# Altium PCB Copy of DIOT_temperature_logger.PcbDoc (part 5 of 7) (continued)
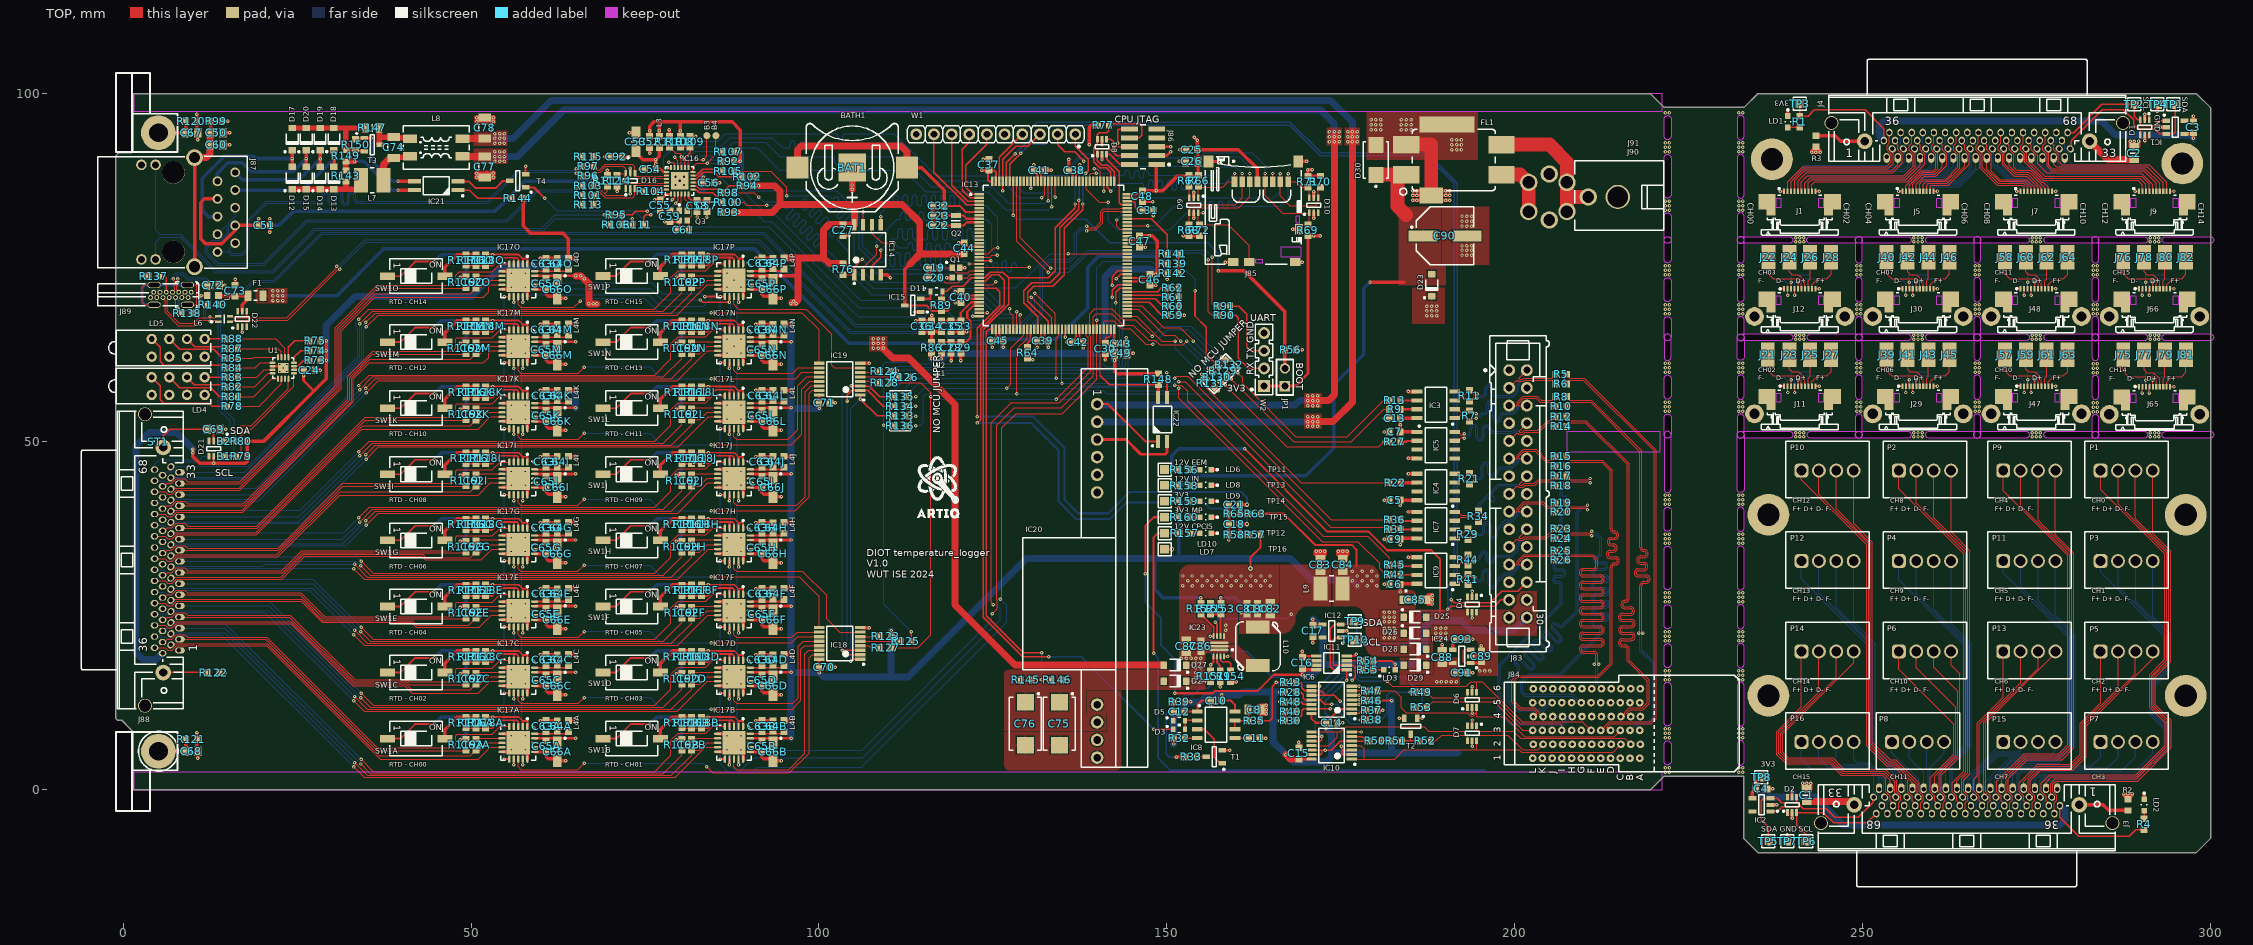
[diagram p0: TOP view]
## Nets (pads, with @x,y where several pads share a name; then routed paths per layer and width w, separated by ;. In a path a pad name is that pad's centre, name@x,y a point inside that pad or via, vN(x,y) a via of type N, cw(c..) or ccw(c..) an arc to the next point about the centre after c; other vN are vias at no path point) (continued)
  BOT w0.5: v1(75.7,66.425) 76.7,67.425 80.3,67.425 ; v1(79.475,64.175) 80.3,65 80.3,67.425 ; v1(84.125,67.425) 80.3,67.425
NetIC17N_3: IC17N.3 IC17N.4 R116N.2 R117N.2 R118N.2 | length 9.6
  TOP w0.254: R117N.2@80.3,65.825 R118N.2@83.1,65.825 84.025,65.825 85.175,66.975 87.15,66.975 ; IC17N.4@87.15,66.075 87.15,66.975 ; IC17N.3@87.8,66.075 87.8,66.75 87.575,66.975 87.15,66.975
NetIC17O_1: IC17O.1 IC17O.2 R118O.1 R119O.1 SW1O.1 | length 28.8
  TOP w0.254: SW1O.1@37.975,73.8 39.861,73.8 41.961,75.9 v1(44.7,75.9) ; R118O.1@51.958,76.9 R118O.1@52.1,76.9 v1(53.125,76.9) 56.875,76.9 57.45,76.325 ; IC17O.2@57.45,75.55 57.45,76.325 ; IC17O.1@58.1,75.55 58.1,76.325 57.45,76.325
  TOP w0.5: v1(48.475,73.65) R119O.1@49.3,73.65
  BOT w0.5: v1(44.7,75.9) 45.7,76.9 49.3,76.9 ; v1(48.475,73.65) 49.3,74.475 49.3,76.9 ; v1(53.125,76.9) 49.3,76.9
NetIC17O_3: IC17O.3 IC17O.4 R116O.2 R117O.2 R118O.2 | length 9.6
  TOP w0.254: R117O.2@49.3,75.3 R118O.2@52.1,75.3 53.025,75.3 54.175,76.45 56.15,76.45 ; IC17O.4@56.15,75.55 56.15,76.45 ; IC17O.3@56.8,75.55 56.8,76.225 56.575,76.45 56.15,76.45
NetIC17P_1: IC17P.1 IC17P.2 R118P.1 R119P.1 SW1P.1 | length 28.8
  TOP w0.254: SW1P.1@68.975,73.825 70.861,73.825 72.961,75.925 v1(75.7,75.925) ; R118P.1@82.958,76.925 R118P.1@83.1,76.925 v1(84.125,76.925) 87.875,76.925 88.45,76.35 ; IC17P.2@88.45,75.575 88.45,76.35 ; IC17P.1@89.1,75.575 89.1,76.35 88.45,76.35
  TOP w0.5: v1(79.475,73.675) R119P.1@80.3,73.675
  BOT w0.5: v1(75.7,75.925) 76.7,76.925 80.3,76.925 ; v1(79.475,73.675) 80.3,74.5 80.3,76.925 ; v1(84.125,76.925) 80.3,76.925
NetIC17P_3: IC17P.3 IC17P.4 R116P.2 R117P.2 R118P.2 | length 9.6
  TOP w0.254: R117P.2@80.3,75.325 R118P.2@83.1,75.325 84.025,75.325 85.175,76.475 87.15,76.475 ; IC17P.4@87.15,75.575 87.15,76.475 ; IC17P.3@87.8,75.575 87.8,76.25 87.575,76.475 87.15,76.475
NetIC18_4: IC18.4 R127.2 | length 2.6
  TOP w0.171: IC18.4@106.175,20.675 107.2,20.675 107.475,20.4 R127.2@108.675,20.4
NetIC18_5: IC18.5 R125.2 | length 5.3
  TOP w0.171: IC18.5@106.175,21.325 111.45,21.325 R125.2@111.475,21.3
NetIC18_6: IC18.6 R123.2 | length 2.5
  TOP w0.171: IC18.6@106.175,21.975 108.65,21.975 R123.2@108.675,22
NetIC19_4: IC19.4 R128.2 | length 2.6
  TOP w0.171: IC19.4@106.2,58.675 107.225,58.675 107.5,58.4 R128.2@108.7,58.4
NetIC19_5: IC19.5 R126.2 | length 5.3
  TOP w0.171: IC19.5@106.2,59.325 111.475,59.325 R126.2@111.5,59.3
NetIC19_6: IC19.6 R124.2 | length 2.5
  TOP w0.171: IC19.6@106.2,59.975 108.675,59.975 R124.2@108.7,60
NetIC20_3: IC20.3 IC22.2 | length 12.6
  TOP w0.4: IC20.3@140,50.326 144.149,50.326 146.275,48.2 149.775,48.2 150.035,48.46 IC22.2@150.035,50.05
NetIC21_1: IC21.1 R144.1 | length 8.2
  TOP w0.254: IC21.1@48.15,86.165 49.775,86.165 50.94,85 R144.1@55.9,85
NetIC21_2: IC21.2 T4.3 | length 8.2
  TOP w0.3: IC21.2@48.15,87.435 49.69,87.435 50.625,86.5 53.6,86.5 54.6,87.5 T4.3@55.55,87.5
NetIC21_3: IC21.3 R150.2 T3.1 | length 14.6
  TOP w0.127: R150.2@33.4,93.5 T3.1@34.575,93.5 ; v1@35.64,93.65 v1(35.65,93.66)
  TOP w0.4: R150.2@33.475,93.575 T3.1@34.575,93.575 ; T3.1@34.65,93.65 v1@35.64,93.65
  TOP w0.5: v1(39.5,87.425) IC21.3@42.485,87.425
  BOT w0.5: v1(35.65,93.66) 35.65,90.475 38.7,87.425 v1(39.5,87.425)
NetIC21_4: IC21.4 R143.1 R149.2 | length 12.8
  TOP w0.5: v1(39.5,86.175) IC21.4@41.825,86.175
  TOP w0.8: R143.1@32,89 R149.2@32,90.3 v1(33.275,90.3)
  BOT w0.5: v1(33.275,90.3) 34.575,90.3 38.7,86.175 v1(39.5,86.175)
NetIC23_2: IC23.2 L10.1
NetIC23_5: IC23.5 R153.1 R155.1 | length 4.6
  TOP w0.254: IC23.5@157.75,22.05 R153.1@157.75,25.2
  TOP w0.3: R155.1@156.3,25.2 R153.1@157.75,25.2
NetIC23_10: IC23.10 R154.2 | length 3.2
  TOP w0.254: IC23.10@157.75,19.15 157.75,18.575 157.95,18.375 158.925,18.375 159.2,18.1 R154.2@159.2,17.1
NetJ3_69: J3.69 R2.1 | length 7.3
  TOP w0.5: J3.69@281.175,-2.2 284.6,-2.2 285.4,-3 R2.1@288.175,-3
NetJ4_69: J4.69 R3.1 | length 7.3
  TOP w0.5: R3.1@243.325,94 246.1,94 246.9,93.2 J4.69@250.325,93.2
NetJ87_L1: J87.L1 R95.1 | length 80.5
  TOP w0.152: v1(69.175,82.6) R95.1@70.05,82.6
  BOT w0.152: J87.L1@4.65,89.8 4.65,80.425 5.262,79.813 8.213,79.813 13.425,74.6 21.425,74.6 27.5,80.675 60.175,80.675 62.1,82.6 v1(69.175,82.6)
NetJ87_L3: J87.L3 R111.1 | length 77.5
  TOP w0.152: R111.1@73.2,81.2 v1(73.2,82.05)
  BOT w0.152: J87.L3@4.65,76.2 4.65,78.65 5.425,79.425 8.175,79.425 13.325,74.275 21.55,74.275 27.671,80.396 60.421,80.396 62.075,82.05 v1(73.2,82.05)
NetJ88_69: J88.69 R122.1 | length 6.6
  TOP w0.254: J88.69@5.75,16.825 5.8,16.875 R122.1@12.281,16.875
NetLD1_2: LD1.2 R1.1 | length 1.7
  TOP w0.2: LD1.2@239.3,95.175 239.325,95.2 R1.1@241,95.2
NetLD2_2: LD2.2 R4.1 | length 1.2
  TOP w0.2: R4.1@290.5,-4.2 LD2.2@290.5,-3.025
NetLD3_1: LD3.1 R55.2 | length 1.5
  TOP w0.2: R55.2@179.7,17.2 LD3.1@181.175,17.2
NetLD4_2: LD4.2 R78.2 | length 13.7
  TOP w0.2: LD4.2@4.09,59.27 5.3,58.06 5.3,56.05 5.85,55.5 12.418,55.5 12.818,55.1 R78.2@14.9,55.1
NetLD4_4: LD4.4 R81.2 | length 9.4
  TOP w0.2: LD4.4@6.63,59.27 8.125,57.775 12.575,57.775 13.85,56.5 R81.2@14.9,56.5
NetLD4_6: LD4.6 R82.2 | length 6.1
  TOP w0.2: LD4.6@9.17,59.27 10.24,58.2 R82.2@14.8,58.2
NetLD4_8: LD4.8 R83.2 | length 3.1
  TOP w0.2: LD4.8@11.71,59.27 R83.2@14.85,59.27
NetLD5_2: LD5.2 R84.2 | length 13.5
  TOP w0.2: LD5.2@4.09,64.77 5.3,63.56 5.3,61.55 5.85,61 R84.2@14.9,61
NetLD5_4: LD5.4 R85.2 | length 9.4
  TOP w0.2: LD5.4@6.63,64.77 8.125,63.275 13,63.275 14.275,62 R85.2@14.9,62
NetLD5_6: LD5.6 R87.2 | length 6.1
  TOP w0.2: LD5.6@9.17,64.77 10.265,63.675 R87.2@14.775,63.675
NetLD5_8: LD5.8 R88.2 | length 3.2
  TOP w0.2: LD5.8@11.71,64.8 R88.2@14.9,64.8
NetLD6_2: LD6.2 R156.2 | length 1.5
  TOP w0.5: R156.2@153.3,46 LD6.2@154.775,46
NetLD7_2: LD7.2 R157.2 | length 1.4
  TOP w0.5: R157.2@153.4,36.85 LD7.2@154.775,36.85
NetLD8_2: LD8.2 R158.2 | length 1.4
  TOP w0.5: R158.2@153.4,43.75 LD8.2@154.775,43.75
NetLD9_2: LD9.2 R159.1 | length 1.4
  TOP w0.5: R159.1@153.4,41.45 LD9.2@154.775,41.45
NetLD10_2: LD10.2 R160.1 | length 1.4
  TOP w0.5: R160.1@153.4,39.15 LD10.2@154.775,39.15
NetR33_1: R33.1 T1.3 | length 1.3
  TOP w0.2: R33.1@154.325,4.7 T1.3@155.675,4.7
NetR50_1: R50.1 R51.2 | length 1.4
  TOP w0.2: R50.1@180.8,7 R51.2@182.2,7
NetR51_1: R51.1 R52.2 T2.3 | length 3.5
  TOP w0.152: 185.1,7 T2.3@185.1,7.95
  TOP w0.2: R51.1@183.8,7 185.1,7 R52.2@186.4,7
NetR73_2: R73.2 U1.15 | length 2.6
  TOP w0.2: U1.15@24.55,60.85 25.125,60.85 25.975,61.7 R73.2@26.775,61.7
NetR74_2: R74.2 U1.16 | length 3.4
  TOP w0.2: U1.16@24.55,61.35 24.55,62.125 25.525,63.1 R74.2@26.775,63.1
NetR75_2: R75.2 U1.1 | length 4.8
  TOP w0.2: U1.1@23.75,62.15 23.75,63.6 24.65,64.5 R75.2@26.775,64.5
NetR116A_1: R116A.1 R117A.1 SW1A.2 | length 6.5
  TOP w0.5: SW1A.2@46.225,7.325 46.225,8.625 48.025,10.425 R117A.1@49.3,10.425 R116A.1@50.7,10.425
NetR116B_1: R116B.1 R117B.1 SW1B.2 | length 6.5
  TOP w0.5: SW1B.2@77.225,7.325 77.225,8.625 79.025,10.425 R117B.1@80.3,10.425 R116B.1@81.7,10.425
NetR116C_1: R116C.1 R117C.1 SW1C.2 | length 6.5
  TOP w0.5: SW1C.2@46.225,16.825 46.225,18.125 48.025,19.925 R117C.1@49.3,19.925 R116C.1@50.7,19.925
NetR116D_1: R116D.1 R117D.1 SW1D.2 | length 6.5
  TOP w0.5: SW1D.2@77.225,16.825 77.225,18.125 79.025,19.925 R117D.1@80.3,19.925 R116D.1@81.7,19.925
NetR116E_1: R116E.1 R117E.1 SW1E.2 | length 6.5
  TOP w0.5: SW1E.2@46.225,26.325 46.225,27.625 48.025,29.425 R117E.1@49.3,29.425 R116E.1@50.7,29.425
NetR116F_1: R116F.1 R117F.1 SW1F.2 | length 6.5
  TOP w0.5: SW1F.2@77.225,26.325 77.225,27.625 79.025,29.425 R117F.1@80.3,29.425 R116F.1@81.7,29.425
NetR116G_1: R116G.1 R117G.1 SW1G.2 | length 6.5
  TOP w0.5: SW1G.2@46.225,35.825 46.225,37.125 48.025,38.925 R117G.1@49.3,38.925 R116G.1@50.7,38.925
NetR116H_1: R116H.1 R117H.1 SW1H.2 | length 6.5
  TOP w0.5: SW1H.2@77.225,35.825 77.225,37.125 79.025,38.925 R117H.1@80.3,38.925 R116H.1@81.7,38.925
NetR116I_1: R116I.1 R117I.1 SW1I.2 | length 6.5
  TOP w0.5: SW1I.2@46.225,45.325 46.225,46.625 48.025,48.425 R117I.1@49.3,48.425 R116I.1@50.7,48.425
NetR116J_1: R116J.1 R117J.1 SW1J.2 | length 6.5
  TOP w0.5: SW1J.2@77.225,45.325 77.225,46.625 79.025,48.425 R117J.1@80.3,48.425 R116J.1@81.7,48.425
NetR116K_1: R116K.1 R117K.1 SW1K.2 | length 6.5
  TOP w0.5: SW1K.2@46.225,54.825 46.225,56.125 48.025,57.925 R117K.1@49.3,57.925 R116K.1@50.7,57.925
NetR116L_1: R116L.1 R117L.1 SW1L.2 | length 6.5
  TOP w0.5: SW1L.2@77.225,54.825 77.225,56.125 79.025,57.925 R117L.1@80.3,57.925 R116L.1@81.7,57.925
NetR116M_1: R116M.1 R117M.1 SW1M.2 | length 6.5
  TOP w0.5: SW1M.2@46.225,64.325 46.225,65.625 48.025,67.425 R117M.1@49.3,67.425 R116M.1@50.7,67.425
NetR116N_1: R116N.1 R117N.1 SW1N.2 | length 6.5
  TOP w0.5: SW1N.2@77.225,64.325 77.225,65.625 79.025,67.425 R117N.1@80.3,67.425 R116N.1@81.7,67.425
NetR116O_1: R116O.1 R117O.1 SW1O.2 | length 6.5
  TOP w0.5: SW1O.2@46.225,73.8 46.225,75.1 48.025,76.9 R117O.1@49.3,76.9 R116O.1@50.7,76.9
NetR116P_1: R116P.1 R117P.1 SW1P.2 | length 6.5
  TOP w0.5: SW1P.2@77.225,73.825 77.225,75.125 79.025,76.925 R117P.1@80.3,76.925 R116P.1@81.7,76.925
NetR139_1: R139.1 R141.1 R142.2 | length 2.8
  TOP w0.3: R139.1@151.7,75.6 R141.1@151.7,77
  TOP w0.5: R142.2@151.7,74.2 R139.1@151.7,75.6
OSC32_IN: C23.1 IC13.8 Q2.2 | length 5.3
  TOP w0.3: C23.1@118,82.5 118.025,82.525 Q2.2@119.7,82.525 120.775,82.525 121.25,82.05 IC13.8@123.075,82.05
OSC32_OUT: C22.1 IC13.9 Q2.1 | length 5.3
  TOP w0.3: C22.1@118,81.1 119.675,81.1 Q2.1@119.7,81.075 120.8,81.075 121.275,81.55 IC13.9@123.075,81.55
P3V3: C5.1 C6.1 C7.2 C9.1 C13.1 C24.2 C25.2 C26.2 C27.2 C37.2 C38.2 C39.2 C40.2 C41.2 C42.2 C43.2 C44.2 C45.2 C46.2 C47.2 C48.2 C49.2 C52.2 C56.2 C65A.2 C65B.2 C65C.2 C65D.2 C65E.2 C65F.2 C65G.2 C65H.2 C65I.2 C65J.2 C65K.2 C65L.2 C65M.2 C65N.2 C65O.2 C65P.2 C66A.1 C66B.1 C66C.1 C66D.1 C66E.1 C66F.1 C66G.1 C66H.1 C66I.1 C66J.1 C66K.1 C66L.1 C66M.1 C66N.1 C66O.1 C66P.1 C70.2 C71.2 C84.2 C85.1 D8.5 D9.5 D10.5 D21.5 D28.2 IC3.8 IC4.8 IC5.1 IC7.8 IC9.8 IC13.17 IC13.30 IC13.39 IC13.52 IC13.62 IC13.72 IC13.84 IC13.95 IC13.108 IC13.121 IC13.131 IC13.143 IC13.144 IC14.8 IC15.3 IC16.9 IC17A.19 IC17B.19 IC17C.19 IC17D.19 IC17E.19 IC17F.19 IC17G.19 IC17H.19 IC17I.19 IC17J.19 IC17K.19 IC17L.19 IC17M.19 IC17N.19 IC17O.19 IC17P.19 IC18.16 IC19.16 J85.4 J86.1 J88.35 JP1.1 L1.1 L3.1 L4A.2 L4B.2 L4C.2 L4D.2 L4E.2 L4F.2 L4G.2 L4H.2 L4I.2 L4J.2 L4K.2 L4L.2 L4M.2 L4N.2 L4O.2 L4P.2 L9.2 R63.2 R66.2 R67.2 R68.2 R69.2 R70.2 R71.2 R72.2 R73.1 R74.1 R75.1 R76.2 R77.2 R79.1 R80.1 R86.2 R89.2 R92.2 R93.2 R94.2 R107.1 R108.1 R123.1 R144.2 R148.2 R152.2 R159.2 TP14.1 U1.14 W1.10 W2.1 | length 808.3
  TOP w0.2: C37.2@124.425,89.025 C37.2@124.5,89.1
  TOP w0.3: v1(13,46.9) D21.5@13,47.9 ; IC16.9@81.9,87.25 C56.2@83.375,87.25 ; IC15.3@112.35,69.6 115.475,69.6 116.275,68.8 R89.2@117.6,68.8 118.475,68.8 118.75,69.075 118.75,70.775 v1(119.575,71.6) 120.3,71.6 120.85,71.05 IC13.30@123.075,71.05 ; C44.2@120.8,77 121.35,77.55 IC13.17@123.075,77.55 ; C37.2@124.425,89.025 124.325,88.925 124.325,87.6 124.5,87.425 IC13.144@124.95,87.425 ; C37.2@124.5,89.1 124.625,88.975 125.25,88.975 125.45,88.775 IC13.143@125.45,87.425 ; IC13.39@125.95,66.175 125.95,64.95 C45.2@126.5,64.4 ; C41.2@130.9,89.2 131.45,88.65 IC13.131@131.45,87.425 ; IC13.52@132.45,66.175 132.45,64.95 C39.2@133,64.4 ; C38.2@136,89.1 136.45,88.65 IC13.121@136.45,87.425 ; IC13.62@137.45,66.175 137.45,64.95 138,64.4 C42.2@138,64.3 ; C49.2@142.45,62.75 IC13.72@142.45,66.175 ; IC13.84@144.325,73.55 147.05,73.55 C46.2@147.6,74.1 ; IC13.95@144.325,79.05 145.55,79.05 C47.2@146.1,79.6 ; IC13.108@144.325,85.55 146.05,85.55 C48.2@146.6,86.1 ; J86.1@148.514,89.824 J86.1@148.55,89.86 ; R63.2@163.5,39.65 166.85,39.65 171.325,35.175 176.575,35.175 177.275,34.475 177.275,32.125
  TOP w0.4: U1.14@24.55,60.35 C24.2@25.8,60.35 ; C24.2@25.925,60.3 v1(25.925,59.5) 25.925,58.8 27.417,57.308 27.417,57.283 ; IC17A.19@59.15,7.375 62.4,7.375 v1(65.025,7.375) ; IC17C.19@59.15,16.875 v1(65.025,16.875) ; IC17E.19@59.15,26.375 v1(65.025,26.375) ; IC17G.19@59.15,35.875 v1(65.025,35.875) ; IC17I.19@59.15,45.375 v1(65.025,45.375) ; IC17K.19@59.15,54.875 62.4,54.875 v1(65.025,54.875) ; IC17M.19@59.15,64.375 62.4,64.375 v1(65.025,64.375) ; IC17O.19@59.15,73.85 v1(65.025,73.85) ; IC17B.19@90.15,7.375 v1(96.025,7.375) ; IC17D.19@90.15,16.875 v1(96.025,16.875) ; IC17F.19@90.15,26.375 v1(96.025,26.375) ; IC17H.19@90.15,35.875 v1(96.025,35.875) ; IC17J.19@90.15,45.375 v1(96.025,45.375) ; IC17L.19@90.15,54.875 v1(96.025,54.875) ; IC17N.19@90.15,64.375 v1(96.025,64.375) ; v1(100.025,16.8) IC18.16@100.025,18.725 ; C71.2@100.05,55.55 IC19.16@100.05,56.725 ; W2.1@164,58 JP1.1@167,58 168.5,58 170.3,59.8 R69.2@170.3,79.6
  TOP w0.5: v1(10.025,48.95) v1(10.025,48.41) 10.025,47.85 10.975,46.9 v1(13,46.9) 17.55,46.9 17.8,47.15 R79.1@17.8,47.9 R80.1@17.8,50.1 20.234,50.1 27.417,57.283 29.175,59.041 v1(29.175,61.7) ; R73.1@28.375,61.7 v1(29.175,61.7) ; R74.1@28.375,63.1 v1(29.175,63.1) ; R75.1@28.375,64.5 v1(29.175,64.5) v1(29.175,63.1) ; R144.2@57.5,85 57.5,81.025 58.525,80 63.175,80 64,79.175 L4O.2@64,76.4 v1(65.025,76.4) ; L4A.2@64,9.925 v1(65.025,9.925) ; L4C.2@64,19.425 v1(65.025,19.425) ; L4E.2@64,28.925 v1(65.025,28.925) ; L4G.2@64,38.425 v1(65.025,38.425) ; L4I.2@64,47.925 v1(65.025,47.925) ; L4K.2@64,57.425 v1(65.025,57.425) ; L4M.2@64,66.925 v1(65.025,66.925) ; C52.2@75.675,93.9 v1@75.675,94.65 ; v1(75.675,94.725) 75.675,95.35 76.3,95.975 77.065,95.975 ; L3.1@77.075,93.9 v1(77.075,94.725) 77.075,95.965 77.065,95.975 ; R108.1@80.1,93.9 v1(80.1,94.725) 80.1,95.975 ; C56.2@83.375,87.25 v1(83.375,88.025) ; R92.2@87.8,90.3 v1(88.725,90.3) v1(88.725,91.7) ; R107.1@87.8,91.7 v1(88.725,91.7) ; IC17P.19@90.15,73.875 97.025,73.875 ; L4B.2@95,9.925 v1(96.025,9.925) ; L4D.2@95,19.425 v1(96.025,19.425) ; L4F.2@95,28.925 v1(96.025,28.925) ; L4H.2@95,38.425 v1(96.025,38.425) ; L4J.2@95,47.925 v1(96.025,47.925) ; L4L.2@95,57.425 v1(96.025,57.425) ; L4N.2@95,66.925 v1(96.025,66.925) ; 97.025,76.4 97.05,76.425 ; C71.2@100,55.6 100.05,55.55 v1(100.05,54.8) ; R123.1@110.4,22.05 v1(110.4,22.825) ; IC15.3@112.35,69.6 112.35,74.8 113.1,75.55 ; v1(116.2,61.925) R86.2@116.2,62.7 ; v1(117.6,61.925) L1.1@117.6,62.7 ; v1(123.4,89) C37.2@124.4,89 ; v1(126.5,63.575) C45.2@126.5,64.4 ; C41.2@130.9,89.2 v1(130.9,89.825) ; v1(133,63.575) C39.2@133,64.4 ; C38.2@135.9,89.2 v1(135.9,90.575) ; v1(138,63.475) C42.2@138,64.3 ; v1(138.845,92.675) 138.845,95.17 139.175,95.5 R77.2@140.075,95.5 ; v1(140.7,92.675) D8.5@140.7,93.5 ; C49.2@142.45,62.75 C49.2@142.5,62.7 v1(142.5,61.725) 142.5,60.175 142.875,59.8 R148.2@148.8,59.8 ; C47.2@146.1,79.6 v1(147.475,79.6) 147.9,79.6 148.675,78.825 148.675,74.35 v1(148.425,74.1) C46.2@147.6,74.1 ; C48.2@146.6,86.1 v1@148.475,86.1 ; v1@148.514,86.139 J86.1@148.514,89.824 ; v1(148.525,86.1) 149.45,86.1 151.55,88.2 154.6,88.2 154.5,88.3 C26.2@154.5,90.3 154.5,91.9 C25.2@154.4,92 ; TP14.1@149.7,41.45 R159.2@151.8,41.45 ; v3(151.7,40.4) R159.2@151.7,41.45 ; v1(152.375,79.6) R68.2@153.2,79.6 R72.2@154.6,79.6 ; v1(153.9,82.125) D9.5@153.9,82.9 ; v1(153.975,93.775) v1(154.4,93.35) C25.2@154.4,92 ; R152.2@154.9,26.8 v1(154.9,27.6) ; J85.4@163.05,87.4 163.05,89.25 160.3,92 C25.2@154.4,92 ; R69.2@170.3,79.6 v1(171.15,79.6) v1(172.043,79.6) ; v1(170.896,89.1) v1(170.3,89.1) R71.2@170.3,88.2 R70.2@172.1,88.2 ; D10.5@171.15,85.1 v1(171.15,85.925) ; v1(183.6,28.4) C6.1@183.6,29.5 ; C6.1@183.6,29.6 185.995,29.6 IC9.8@186,29.595 ; v1(183.6,35.225) 183.6,35.975 C9.1@183.605,35.97 ; v1(183.6,40.85) C5.1@183.6,41.6 183.605,41.595 IC4.8@186,41.595 ; C7.2@183.6,51.4 v1(183.6,52.425) C13.1@183.6,53.395 ; C13.1@183.6,53.4 C13.1@183.6,53.395 ; C9.1@183.605,36.095 IC7.8@186,36.095 ; C7.2@183.605,51.405 IC5.1@186,51.405 ; IC3.8@186,53.395 C13.1@183.6,53.395 ; v1(29.175,61.7) v1(29.175,63.1) ; 77.065,95.975 80.1,95.975 ; 80.1,95.975 87.525,95.975 88.725,94.775 v1(88.725,91.7)
  TOP w1: v1(65.025,73.85) v1(65.775,73.85) 65.8,73.85 66.925,72.725 v1(66.925,69.825) v1(67.55,69.825) v1(68.1,69.825) ; R93.2@87.875,82.975 v1(88.5,82.975) 93.3,82.975 94.413,84.088 94.413,84.125 ; R94.2@90.575,86.8 v1(91.325,86.8) 93.625,86.8 94.413,86.013 94.413,84.125 ; 94.375,84.125 94.413,84.125 ; L4P.2@95,76.425 97.05,76.425 100.675,76.425 ; 96.15,70.025 96.675,70.025 97.025,70.375 97.025,73.875 97.025,76.4 ; C27.2@103.45,81.15 105.045,81.15 IC14.8@105.095,81.2 105.095,84.125 ; R76.2@103.5,75.6 101.5,75.6 100.675,76.425 ; C27.2@103.5,81.2 101.425,81.2 100.675,80.45 100.675,76.425 ; 113.1,75.55 114.5,76.95 ; C44.2@120.8,77 v1(120.075,77) 114.55,77 114.5,76.95 ; 94.413,84.125 105.095,84.125 ; 105.095,84.125 111.925,84.125 114.5,81.55 114.5,76.95
  BOT w0.5: 133,62.7 v1(133,63.575) ; v1(138,63.475) 138,62.722 138.022,62.7 ; 148.29,33.2 148.29,28.785 149.475,27.6 v1(154.9,27.6) ; v3(151.7,40.4) 151.7,33.269 151.769,33.2
  BOT w1: J88.35@5.65,19.595 4.73,18.675 2.85,18.675 1.825,19.7 1.825,49.4 3.725,51.3 7.675,51.3 v1(10.025,48.95) ; v1(29.175,61.7) v1(29.175,63.1) v1(29.175,64.5) 29.175,66.725 33.35,70.9 50.05,70.9 54.425,75.275 62.25,75.275 63.375,76.4 v1(65.025,76.4) ; v1(65.025,54.875) v1(65.025,57.425) ; 83.375,86.275 v1(83.375,88.025) ; v1@88.725,91.5 v1(88.725,90.3) 88.725,88.525 90.45,86.8 v1(91.325,86.8) ; v1(96.025,7.375) v1(96.025,9.925) v1@96.025,16.8 ; v1@96.025,19.45 v1(96.025,45.375) v1(96.025,47.925) v1(96.025,54.875) ; v1(96.025,38.425) v1(96.025,35.875) v1(96.025,28.925) v1(96.025,26.375) v1(96.025,19.425) v1(96.025,16.875) v1@96.025,16.8 ; 96.025,62.45 v1(96.025,57.425) v1(96.025,54.875) ; 96.025,62.672 v1(96.025,64.375) v1(96.025,66.925) ; 97.8,16.8 v1@96.025,16.8 ; 97.875,16.8 v1(100.025,16.8) 100.675,16.15 110.4,16.15 ; v1(100.05,54.8) 96.1,54.8 v1(96.025,54.875) ; v1(110.4,22.825) 110.4,16.15 ; v1(116.2,61.925) v1(117.6,61.925) 118.375,62.7 126.5,62.7 ; v1(126.5,63.575) 126.5,62.7 ; v1(142.5,61.725) 142.5,62.25 142.05,62.7 141.099,62.7 ; v1(148.425,74.1) 147.725,74.8 142.25,74.8 141.099,73.649 141.099,62.7 ; v1(177.4,29.3) v1(176.7,30) 176.55,30.15 170.85,30.15 167.8,33.2 151.769,33.2 148.29,33.2 129.875,33.2 112.825,16.15 110.4,16.15 ; 126.5,62.7 133,62.7 138.022,62.7 141.099,62.7
  other v1: 178.8,29.3 180.2,29.3 178.1,30 179.5,30 177.4,30.7 178.8,30.7 180.2,30.7 176.7,31.4 178.1,31.4 179.5,31.4 95.95,69.85 96.775,69.85 96.37,70.195 66.25,73.425
P3V3_CPCIS: C10.2 C14.2 C15.2 C88.2 C91.2 D6.5 D7.5 D29.2 IC6.2 IC6.14 IC8.8 IC10.14 IC24.5 R28.2 R30.1 R32.1 R39.1 R40.1 R46.1 | length 94.8
  TOP w0.3: C10.2@157.9,12.8 159.2,12.8 159.8,12.2 IC8.8@159.8,11.205 ; IC6.14@170.8,10.95 170.8,10.2 171.4,9.6 C14.2@172.9,9.6 174.9,11.6 IC6.2@176.6,11.6 ; v1(172.9,8.75) C14.2@172.9,9.575 ; R46.1@180.3,12.8 v1(182.325,12.8) ; v1(193.9,6.2) D7.5@193.9,7 ; D6.5@193.9,14 v1(193.9,14.8)
  TOP w0.4: C15.2@169,4.4 170.775,4.4 IC10.14@170.8,4.375
  TOP w0.5: v1(151,6.55) R32.1@151,7.4 ; R39.1@152.6,12.6 v1(153.45,12.6) ; C10.2@157.9,12.8 v1(157.9,13.6) ; v1(166.225,9.9) R30.1@167,9.9 R40.1@167,11.2 ; v1(166.225,14) R28.2@167,14 ; C88.2@189.625,18.15 189.675,18.2 IC24.5@191.125,18.2
  TOP w1: v1(167.125,5.025) 167.75,4.4 C15.2@169,4.4
  BOT w0.5: 165.25,9.9 v1(166.225,9.9)
  BOT w1: v1(151,6.55) 151,10.475 153.125,12.6 v1(153.45,12.6) 154.85,12.6 155.85,13.6 v1(157.9,13.6) 160.425,13.6 160.825,14 165.25,14 ; v1(166.225,14) 165.25,14 ; v1(172.9,8.75) 173.7,7.95 173.7,5.225 ; v1(182.325,12.8) 182.325,5.225 ; 191.9,5.225 182.325,5.225 ; 165.25,14 165.25,9.9 165.25,6.9 v1(167.125,5.025) 168.2,3.95 172.9,3.95 173.7,4.75 173.7,5.225 ; 173.7,5.225 182.325,5.225
  other v1: 188.8,15.5 189.5,15.5 190.2,15.5 190.9,15.5 191.6,15.5
P3V3_EXP1: C4.2 D2.5 IC2.4 J3.35 R4.2 TP8.1 | length 70.4
  TOP w0.2: J3.35@278.405,-2.3 278.405,-4.005 281.1,-6.7 288.4,-6.7 289.3,-5.8 R4.2@290.5,-5.8
  TOP w0.4: D2.5@239.9,-1.1 v1(239.9,-0.325)
  TOP w0.5: IC2.4@234.2,-1.25 234.2,-0.4 C4.2@234.7,0.1 v1(234.7,0.9) 234.7,1 TP8.1@235.5,1.8
  BOT w0.2: 239.7,-1.118 239.718,-1.1
  BOT w1: v1(234.7,0.9) 234.7,0.05 235.85,-1.1 239.718,-1.1 239.9,-0.918 v1(239.9,-0.325) ; 239.9,-1.1 243.2,-1.1 247.2,-5.1 278.4,-5.1 279.1,-4.4 279.1,-2.995 J3.35@278.405,-2.3
P3V3_EXP2: C3.2 D1.5 IC1.4 J4.35 R1.2 TP3.1 | length 69.7
  TOP w0.2: TP3.1@241,98.6 R1.2@241,96.8 242.2,96.8 243.1,97.7 250.4,97.7 253.095,95.005 J4.35@253.095,93.3
  TOP w0.5: v1(290.6,93.3) D1.5@290.6,94.1 ; IC1.4@296.3,94.25 297.45,94.25 C3.2@297.6,94.4 v1(297.6,93.625)
  BOT w0.5: v1(290.6,93.3) 290.6,94.096
  BOT w1: J4.35@253.095,93.3 252.4,93.995 252.4,95.4 253.1,96.1 284.4,96.1 286.4,94.1 290.6,94.1 ; 290.6,94.096 297.129,94.096 v1(297.6,93.625)
P3V3_MP: C16.2 C17.2 D4.5 D28.1 D29.1 IC11.8 IC12.4 J83.30 LD3.2 R54.2 R160.2 TP15.1 | length 105.9
  TOP w0.3: v1(146.925,31.05) 146.925,37.925 148.15,39.15 TP15.1@149.7,39.15 R160.2@151.8,39.15 ; v1(151.175,13.85) 156.6,13.85 156.9,14.15 163.025,14.15 165.375,16.5 v1(169.5,16.5) ; C17.2@171,23.6 171.15,23.75 IC12.4@172.4,23.75 ; R54.2@179.7,18.5 180.15,18.5 182.333,18.5 v1(182.825,18.008) LD3.2@182.825,17.2 ; v1(193.9,24.7) 193.9,25
  TOP w0.5: v1(169.5,16.5) C16.2@169.5,17.4 169.675,17.225 IC11.8@171.5,17.225 ; C17.2@171,23.6 v1(171,24.5)
  BOT w0.3: v1(146.925,31.05) 146.925,26.9 149.2,24.625 149.2,20.725 151.175,18.75 v1(151.175,13.85) ; 192.888,23.713 192.912,23.713 v1(193.9,24.7)
  BOT w1: v1(169.5,16.5) 170.936,16.5 172.444,18.008 ; v1(171,24.5) 172.481,23.019 172.481,18.008 v1(182.825,18.008) v1@186.125,18.008 ; 187.1,20.073 187.1,23.375 188,24.275 192.325,24.275 192.888,23.713 193.745,22.855 199.905,22.855 J83.30@201.77,24.72
  other v1: 186.125,17.175 186.125,17.875 186.125,18.575 186.125,19.475 186.125,20.175 186.125,20.875
P12V0_CPCIS: C89.2 D26.2 IC24.1 IC24.3 J84.A1 J84.D1 J84.E1 J84.G1 J84.H1 J84.J1 J84.K1 R157.1 TP12.1 | length 89.1
  TOP w0.2: IC24.1@193.725,18.2 192.825,18.2 192.6,18.425 192.6,19.925 192.775,20.1 IC24.3@193.725,20.1 ; C89.2@195.225,18.2 C89.2@195.225,18.35
  TOP w0.3: v1(148.15,19.575) 148.125,19.6 148.125,36.25 148.725,36.85 TP12.1@149.7,36.85 R157.1@151.8,36.85
  TOP w0.4: IC24.1@193.725,18.2 C89.2@195.225,18.2
  BOT w0.3: v1(148.15,19.575) 148.775,18.95 148.775,4.525 150.525,2.775 195.682,2.775
  other v1: 195.025,17.05 195.725,17.05 196.425,17.05 188.7,21.8 189.4,21.8 190.1,21.8 188.7,22.5 189.4,22.5 190.1,22.5 188.7,23.2 189.4,23.2 190.1,23.2
P12V0_EEM: D25.2 J83.28 J83.29 R156.1 TP11.1 | length 57.2
  TOP w0.3: v1(161.2,48.975) 173.1,37.075 179.025,37.075 181.7,34.4 188.025,34.4 189.3,33.125 189.3,25.45
  TOP w0.5: TP11.1@149.7,46 v3(150.75,46) R156.1@151.7,46
  BOT w0.5: v3(150.75,46) 150.75,48 151.725,48.975 v1(161.2,48.975)
P12V0_F: J91.3
P12V0_IN: C90.1 D23.2 D30.1 FL1.2 R158.1 TP13.1 | length 69.1
  TOP w0.5: TP13.1@149.7,43.75 v3(150.75,43.75) R158.1@151.8,43.75 ; v1(179.225,72.925) 184.075,72.925
  TOP w2: D30.1@180.075,88.35 180.125,88.4 FL1.2@183.15,88.4 ; 184.4,82.6 183.15,83.85 FL1.2@183.15,88.4 ; FL1.2@184.425,88.4 FL1.2@183.15,88.4
  BOT w0.5: v3(150.75,43.75) 152.27,43.75 153.62,45.1 170.009,45.1 174,49.091 174,58.2 178.35,62.55 178.35,72.05 v1(179.225,72.925)
P12V0_POE: C75.1 C76.1 D24.2 IC20.8 R145.2
P12V0F: FL1.1 J90.3 J90.4 | length 8.6
  TOP w2: FL1.1@198.125,88.4 200.79,88.4 201.906,87.285 J90.3@202.041,87.285 J90.4@202.041,83.085
PE0: IC13.141 W1.3 | length 11.3
  TOP w0.2: v1(126.45,86.075) IC13.141@126.45,87.425 126.45,90.6 128.325,92.475 130.055,92.475 W1.3@131.78,94.2
PE1: IC13.142 W1.4 | length 8.1
  TOP w0.2: IC13.142@125.95,87.425 125.95,90.91 W1.4@129.24,94.2
PE2: IC13.1 W1.6 | length 11.2
  TOP w0.2: IC13.1@123.075,85.55 122.15,85.55 121.15,86.55 121.15,89.725 124.16,92.735 W1.6@124.16,94.2
PE3: IC13.2 W1.7 | length 11.4
  TOP w0.2: W1.7@121.62,94.2 121.62,93.02 120.625,92.025 120.625,86.175 121.75,85.05 IC13.2@123.075,85.05
PE4: IC13.3 W1.8 | length 12.3
  TOP w0.2: W1.8@119.08,94.2 119.08,86.895 121.425,84.55 IC13.3@123.075,84.55
PE5: IC13.4 W1.9 | length 13.9
  TOP w0.2: W1.9@116.54,94.2 116.54,88.735 121.225,84.05 IC13.4@123.075,84.05
PE6: IC13.5
PE7: IC13.58 | length 1.2
  TOP w0.2: v1(135.45,65.025) IC13.58@135.45,66.175
PE8: IC13.59
PE9: IC13.60
PE10: IC13.63
PF0: IC13.10
PF1: IC13.11
PF2: IC13.12
PF3: IC13.13
PF4: IC13.14
PF5: IC13.15
PF12_ADCIN: IC13.50 W1.2 | length 36.5
  TOP w0.2: IC13.50@131.45,66.175 131.45,67.975 129.45,69.975 129.45,71.725 130.6,72.875 133.275,72.875 134.65,74.25 134.65,80.725 137.375,83.45 v1(137.375,84.7) ; W1.2@134.32,94.2 134.32,92.693 135.363,91.65 136.75,91.65 v1(138.075,90.325)
  BOT w0.2: v1(137.375,84.7) 137.4,84.725 137.4,88.462 138.075,89.137 v1(138.075,90.325) v1@138.075,90.425
PF13_ADCIN: IC13.53 W1.1 | length 35.2
  TOP w0.2: IC13.53@132.95,66.175 132.95,67.3 130.025,70.225 130.025,71.475 130.925,72.375 133.6,72.375 135.25,74.025 135.25,80.675 137.925,83.35 v1(137.925,84.175) ; W1.1@136.86,94.2 136.86,92.465 138.725,90.6 138.725,88.975 138.338,88.588 v1(138.352,88.575)
  BOT w0.2: v1(137.925,84.175) 137.925,88.148 v1(138.352,88.575)
PFORCE_N00: J11.2 J13.1 | length 8.3
  TOP w0.152: J11.2@239.225,57.975 J11.2@239.25,58 v1(239.25,57.076)
  BOT w0.152: J13.1@236.4,62.5 236.4,60.25 237.2,59.45 238.525,59.45 239.25,58.725 v1(239.25,57.076)
PFORCE_N01: J12.2 J14.1 | length 8.3
  TOP w0.152: J12.2@239.225,71.976 239.25,72.001 v1(239.25,71.076)
  BOT w0.152: J14.1@236.4,76.501 236.4,74.25 237.2,73.45 238.525,73.45 239.25,72.725 v1(239.25,71.076)
PFORCE_N02: J11.6 J21.1 | length 8.7
  TOP w0.152: J21.1@236.4,62.5 236.4,60.25 237.2,59.45 240.925,59.45 241.25,59.125 J11.6@241.25,58
PFORCE_N03: J12.6 J22.1 | length 8.7
  TOP w0.152: J22.1@236.4,76.501 236.4,74.25 237.2,73.45 240.925,73.45 241.25,73.125 J12.6@241.25,72.001
PFORCE_N04: J29.2 J31.1 | length 8.3
  TOP w0.152: J29.2@256.225,57.975 J29.2@256.25,58 v1(256.25,57.076)
  BOT w0.152: J31.1@253.4,62.5 253.4,60.25 254.2,59.45 255.525,59.45 256.25,58.725 v1(256.25,57.076)
PFORCE_N05: J30.2 J32.1 | length 8.3
  TOP w0.152: J30.2@256.225,71.976 256.25,72.001 v1(256.25,71.076)
  BOT w0.152: J32.1@253.4,76.501 253.4,74.25 254.2,73.45 255.525,73.45 256.25,72.725 v1(256.25,71.076)
PFORCE_N06: J29.6 J39.1 | length 8.7
  TOP w0.152: J39.1@253.4,62.5 253.4,60.25 254.2,59.45 257.925,59.45 258.25,59.125 J29.6@258.25,58
PFORCE_N07: J30.9 J46.1 | length 6.4
  TOP w0.152: J30.9@259.75,72.001 259.75,72.6 260.6,73.45 261.9,73.45 262.5,74.05 J46.1@262.5,76.5
PFORCE_N08: J47.2 J49.1 | length 8.3
  TOP w0.152: J47.2@273.225,57.975 J47.2@273.25,58 v1(273.25,57.076)
  BOT w0.152: J49.1@270.4,62.5 270.4,60.25 271.2,59.45 272.525,59.45 273.25,58.725 v1(273.25,57.076)
PFORCE_N09: J48.2 J50.1 | length 8.3
  TOP w0.152: J48.2@273.225,71.976 273.25,72.001 v1(273.25,71.076)
  BOT w0.152: J50.1@270.4,76.501 270.4,74.25 271.2,73.45 272.525,73.45 273.25,72.725 v1(273.25,71.076)
PFORCE_N10: J47.6 J57.1 | length 8.7
  TOP w0.152: J57.1@270.4,62.5 270.4,60.25 271.2,59.45 274.925,59.45 275.25,59.125 J47.6@275.25,58
PFORCE_N11: J48.9 J64.1 | length 6.4
  TOP w0.152: J48.9@276.75,72.001 276.75,72.6 277.6,73.45 278.9,73.45 279.5,74.05 J64.1@279.5,76.5